# Altium PCB Rat.PcbDoc
Units mil, origin at the board's own origin, x right, y up, seen from the top; angles counter-clockwise.
Board outline 2325 x 3375 mil, 2 copper layers (Top Layer, Bottom Layer); 58 components, 36 nets, 153 pads, 155 vias.
Unrouted connection lines stored in the file: 2.
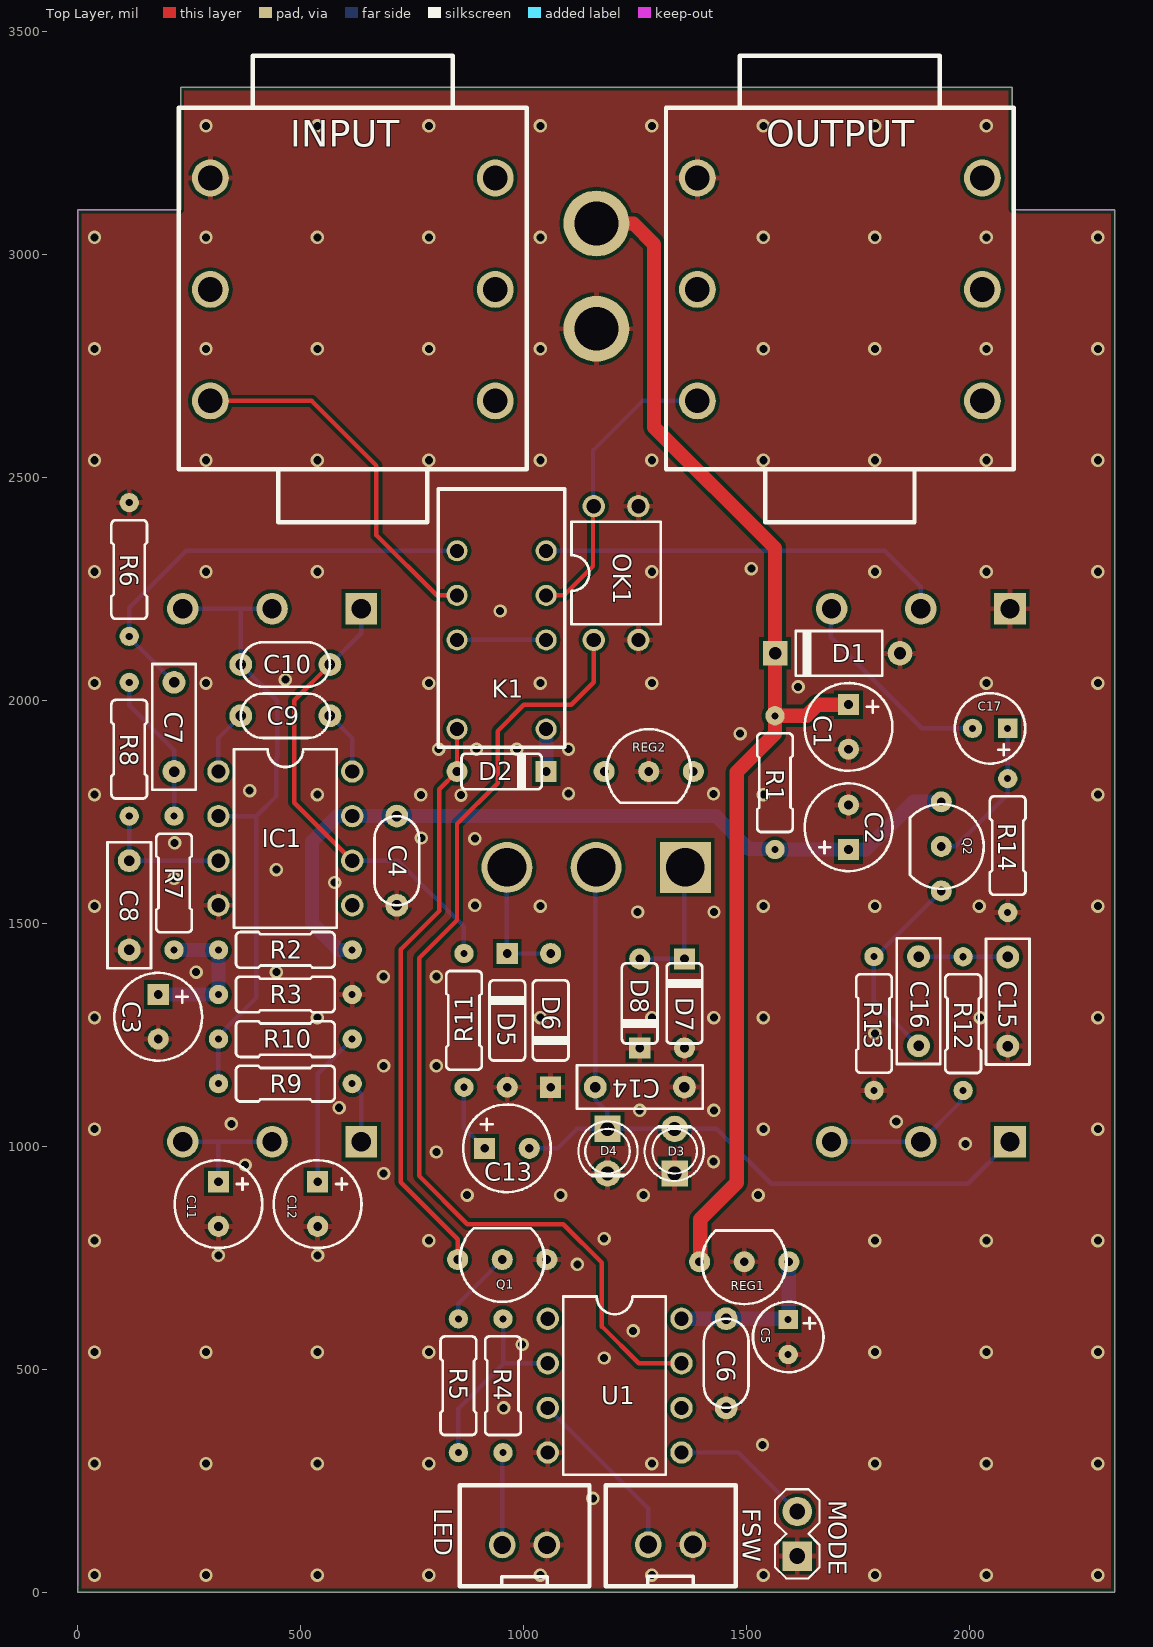
[diagram p0: Top Layer view]
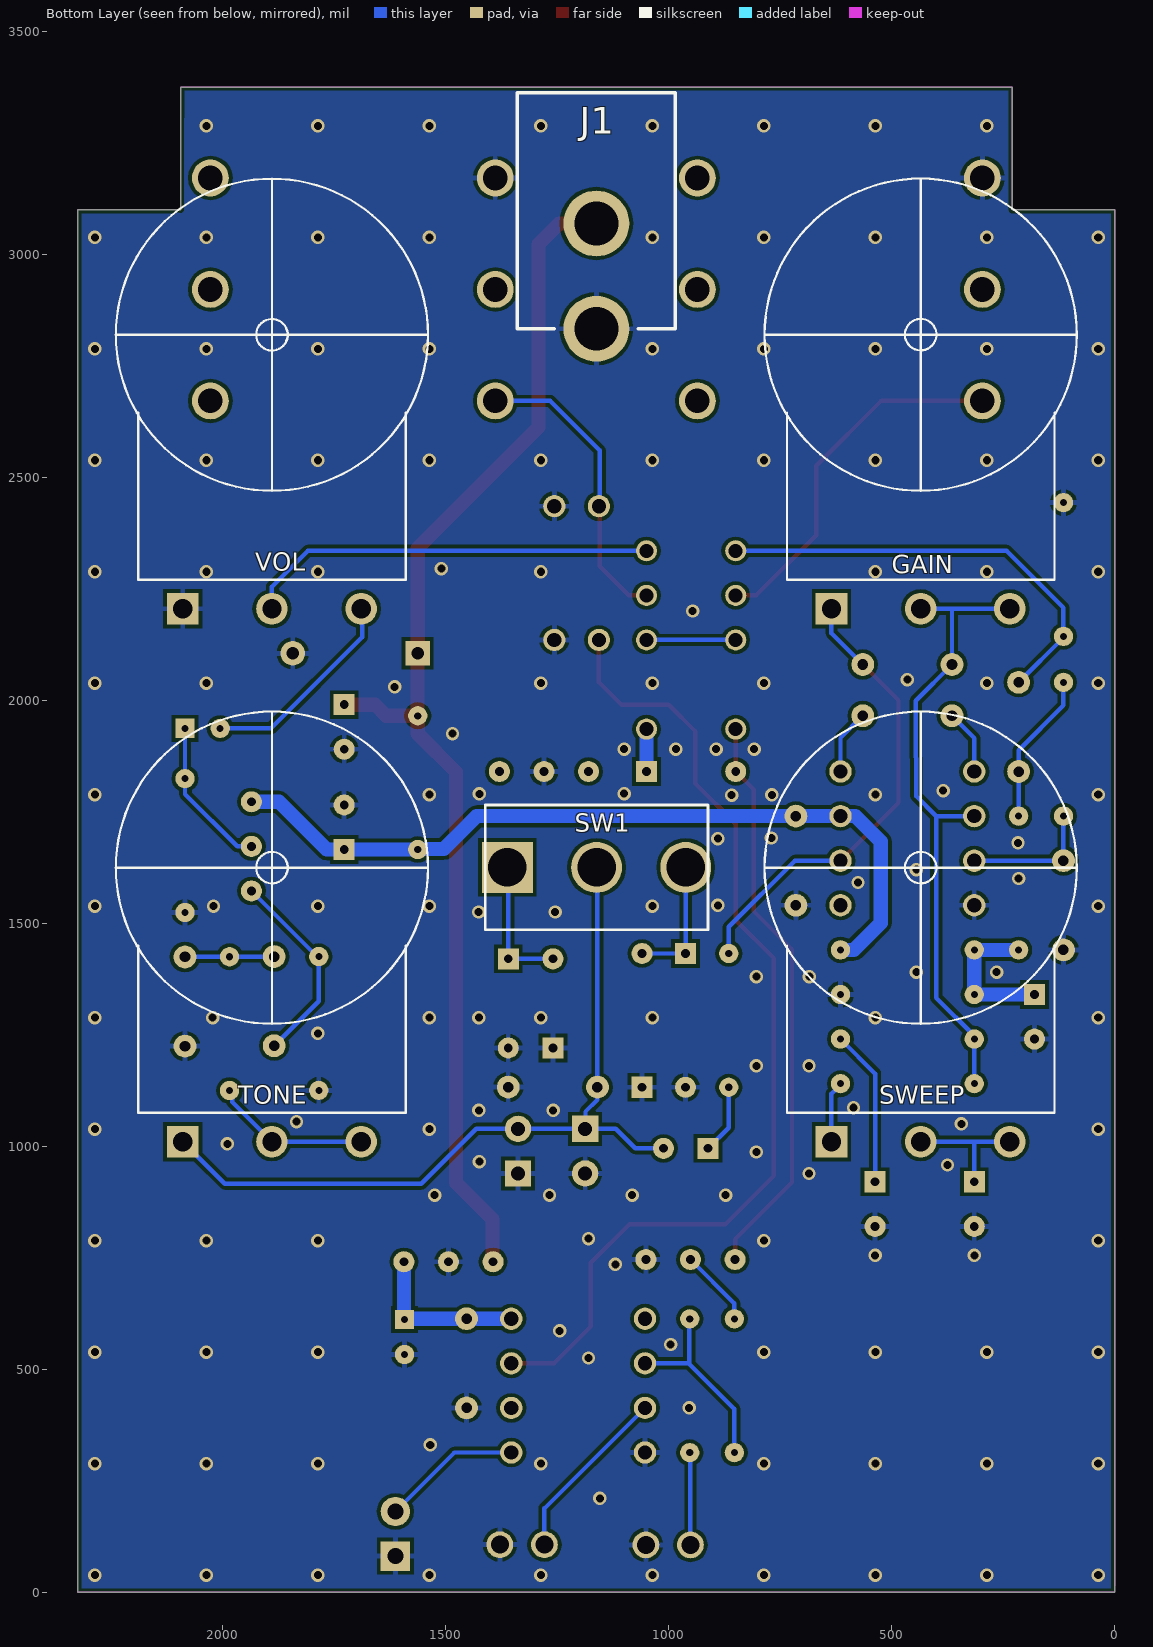
[diagram p1: Bottom Layer view, seen from below]
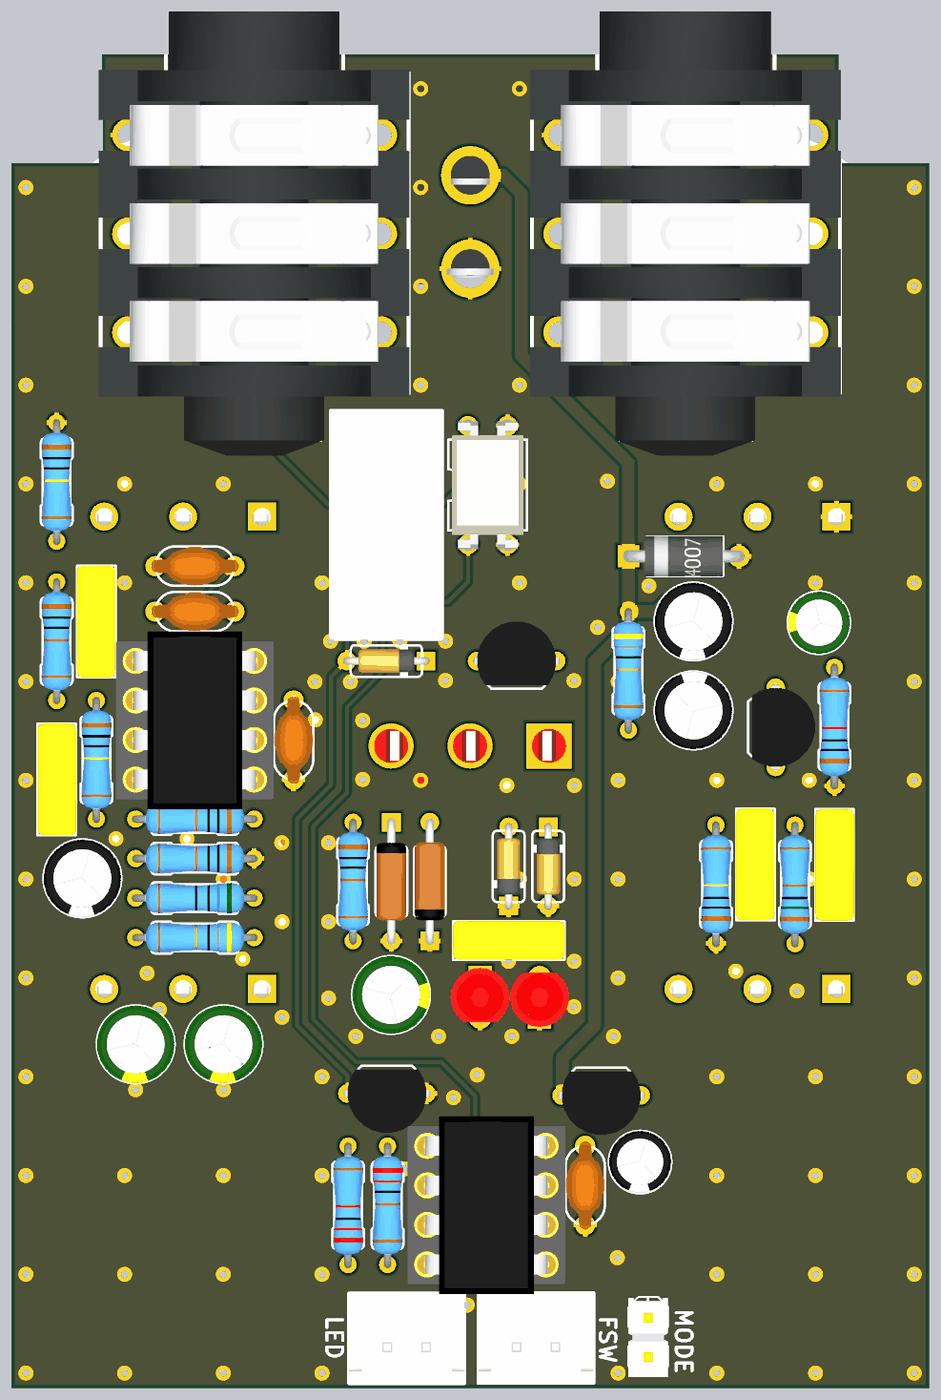
[diagram p2: 3D render of the assembled board from above, using the file's embedded part models]
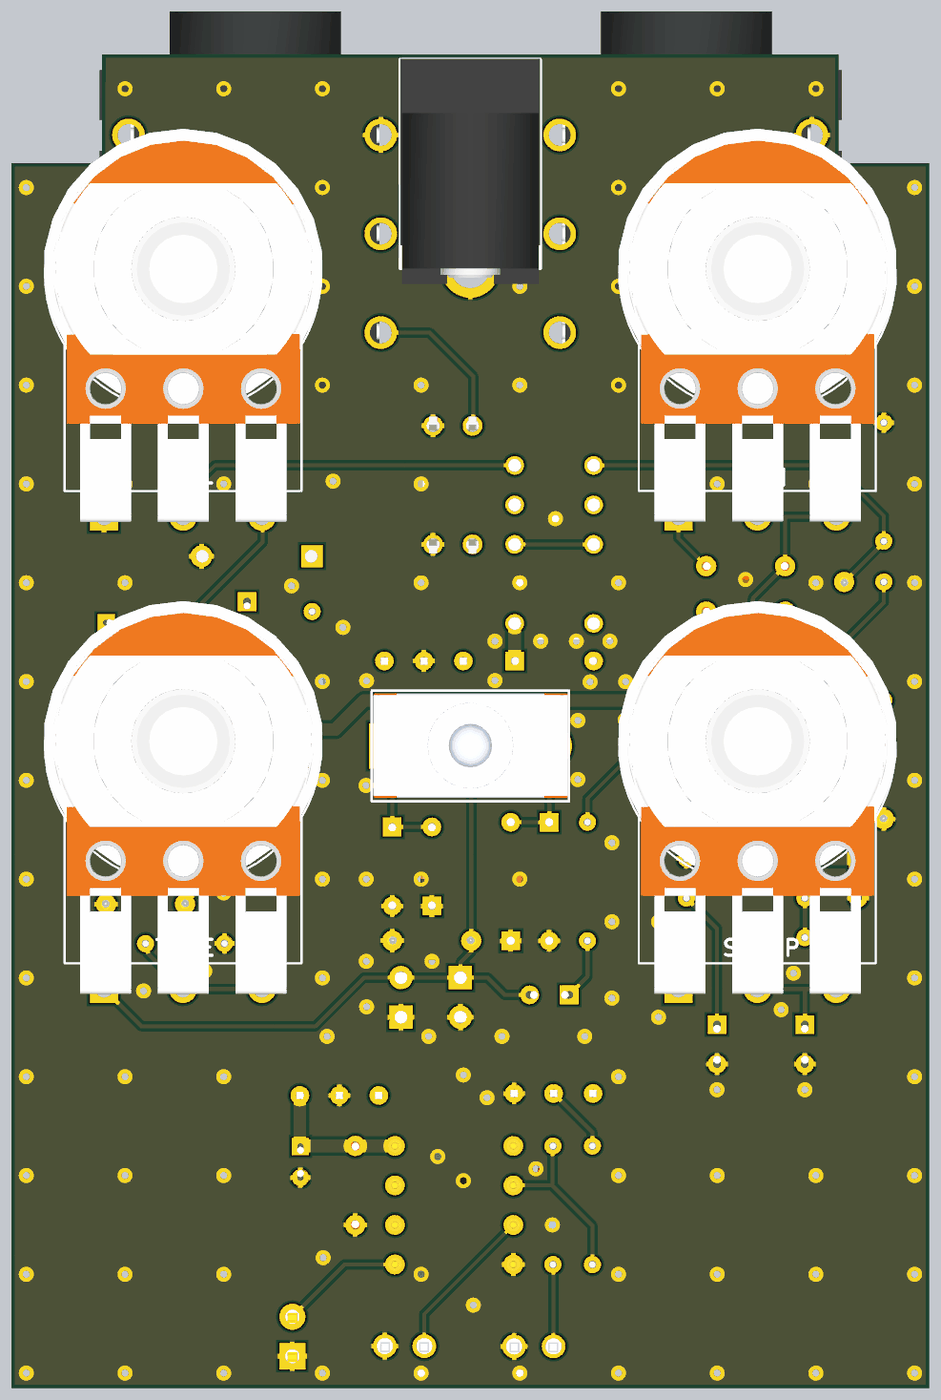
[diagram p3: 3D render of the assembled board from below, using the file's embedded part models]

## Layer stack, top to bottom
Top Solder: solder mask 0.4, Solder Resist, Dk 3.5
Top Layer: signal copper 1.4
Dielectric 1: dielectric 12.6, FR-4, Dk 4.8
Bottom Layer: signal copper 1.4
Bottom Solder: solder mask 0.4, Solder Resist, Dk 3.5

## Board outline
2094.65,3375 2094.65,3100 2325,3100 2325,0 0,0 0,3100 230,3100 230,3375

## Design rules (kind name [scope] priority, off if disabled: settings)
Clearance [All] p1: gap=8 ignorepadtopadclearanceinfootprint=FALSE except(0: Arc-Text Arc-Hole Track-Text Track-Hole SMDPad-Text SMDPad-Hole THPad-Text THPad-Hole Via-Text Via-Hole Fill-Text Fill-Hole Poly-Text Poly-Hole Region-Text Region-Hole Text-Text Text-Hole; 10: Arc-SMDPad Track-SMDPad SMDPad-SMDPad SMDPad-THPad SMDPad-Via THPad-THPad; 18: Arc-Arc Arc-Track Arc-THPad Track-Track Track-THPad)
ComponentClearance [All] p1 off: gap=10 collisioncheckmode=3 verticalgap=100000 showdistances=FALSE
Height [All] p1: minheight=0 maxheight=99999 prefheight=50000
PolygonConnect [All] p1: connectstyle=Relief reliefconductorwidth=12 reliefentries=4 polygonreliefangle="90 Angle" airgapwidth=8
RoutingVias [All] p1: holewidth=30 width=30 viastyle="Through Hole" minholewidth=10 minwidth=15 maxholewidth=20 maxwidth=40
SilkToSilkClearance [All] p1: silktosilkclearance=6
SolderMaskExpansion [All] p1: expansion=4
UnRoutedNet [All] p1: checkbadconnections=TRUE
Width [All] p1: maxlimit=32 minlimit=10 preferedwidth=10 minimp=50.000000 maximp=50.000000 favimp=50.000000
26 further rules are at their usual default settings.

## Components (designator, comment, footprint, x,y, rotation, side; value= is the part's Value field where it differs from the comment)
C1 "100u" ELEC_050_020 1727.94,1940 r270 top
C2 "100u" ELEC_050_020 1728.02,1715 r90 top
C3 "47u" ELEC_050_020 180,1290 r270 top
C4 "100n" CER_050 715,1640 r270 top
C5 "10u" ELEC_040_020 1592.66,572.53 r270 top
C6 "100n" CER_050 1453.59,512.95 r90 top
C7 "22n" FILMBOX_SMALL 215.51,1940 r90 top
C8 "1n" FILMBOX_SMALL 115,1540 r270 top
C9 "30p" CER_050 465,1965 r180 top
C10 "100p" CER_050 465,2080 r180 top
C11 "2.2u" ELEC_LESR_050_020 315,870 r270 top
C12 "4.7u" ELEC_LESR_050_020 537.5,870 r270 top
C13 "4.7u" ELEC_LESR_050_020 962,995 r0 top
C14 "10n" FILMBOX_SMALL 1260,1132.26 r0 top
C15 "3.3n" FILMBOX_SMALL 2085,1324.15 r270 top
C16 "22n" FILMBOX_SMALL 1885,1325 r90 top
C17 "1u" ELEC_LESR_040_020 2046,1936.7 r180 top
D1 "1N4002" DO41_2 1703.34,2105 r0 top
D2 "1N4148" DO35_2 950,1840 r180 top
D3 "LED" LED_3MM 1338.08,988.71 r90 top
D4 "LED" LED_3MM 1187.58,988.71 r270 top
D5 "1N914" DO35_3 962.73,1281.89 r270 top
D6 "1N914" DO35_3 1060,1282 r90 top
D7 "1N4148" DO35_2 1360,1320 r270 top
D8 "1N4148" DO35_2 1259.75,1320 r90 top
FSW "JST-XH-02" JST-XH-02 1328.9,106.29 r0 top
GAIN "100kA" ALPHA_16mm_BOTTOM 435.26,2204.62 r180 bottom locked
IC1 "LM308N" DIL8 465,1690 r270 top
INPUT "STEREO" STEREO 616.36,2921 r90 top
J1 "DC_JACK" DC_JACK 1162.5,3252.15 r0 bottom
K1 "NA5W-K" NA5 950,2185 r90 top
LED "JST-XH-02" JST-XH-02 1001.45,105.63 r0 top
MODE "HEADER_2PINS" HEADER_2PINS 1613.09,130.63 r270 top
OK1 "TLP222G" DIL4 1206.75,2285 r0 top
OUTPUT "STEREO" STEREO 1708.62,2921 r90 top
Q1 "2N3904" TO92 951.45,745.63 r180 top
Q2 "2N5457" TO92 1936,1672.11 r270 top
R1 "47R" R_3_47R_025W 1563.02,1815 r270 top
R2 "100k" R_3_100k_025W 465,1440 r180 top
R3 "100k" R_3_100k_025W 465,1340 r180 top
R4 "2.2k" R_3_2,2k_025W 953.09,462.63 r270 top
R5 "22k" R_3_22k_025W 853.06,462.63 r90 top
R6 "1M" R_3_1M_025W 115,2293 r270 top
R7 "1M" R_3_1M_025W 215.51,1590 r270 top
R8 "1k" R_3_1k_025W 115,1890 r270 top
R9 "47R" R_3_47R_025W 465,1140 r180 top
R10 "560R" R_3_560R_025W 465,1240 r180 top
R11 "1k" R_3_1k_025W 865.62,1282 r270 top
R12 "1.5k" R_3_1.5k_025W 1985,1274.62 r90 top
R13 "1M" R_3_1M_025W 1785,1275 r90 top
R14 "10k" R_3_10k_025W 2085,1674 r90 top
REG1 "LM78L05" TO92 1494.09,740.63 r180 top
REG2 "LM78L05" TO92 1280,1840 r0 top
SW1 "SPDT" SPDT 1162,1625 r0 bottom
SWEEP "1kB" ALPHA_16mm_BOTTOM 435.26,1009.37 r180 bottom locked
TONE "100kA" ALPHA_16mm_BOTTOM 1890,1009.37 r180 bottom locked
U1 "ATTINY85" DIP8 1203.39,462.91 r270 top
VOL "100kA" ALPHA_16mm_BOTTOM 1890,2204.37 r180 bottom locked

## Footprints (in the part's own frame and the unit in brackets; to place one, negate y for a bottom-side part, rotate by r counter-clockwise, add the part's x,y. Pads: shape width x height; smd on the part's side, far side on the other; paste and mask are expansions set on the pad)
ALPHA_16mm_BOTTOM [mil]
  rect 70.87x70.87 hole 43.31: 1(-200,0.63)
  round 70.87 hole 43.31: 2(0,0.63) 3(200,0.63)
  silkscreen extent -350,66 350,965, body extent -354,-12 445,982, height 1067
CER_050 [mil]
  round 51.18 hole 23.62: 1(-100,0) 2(100,0)
  silkscreen extent -100,-50 100,50, body extent -117,-49 110,66, height 196
DC_JACK [mil]
  round 147.65 hole 98.43: GND(0,183.15) PWR(0,419.37)
  silkscreen extent -177,-110 177,419, body extent -350,-112 177,458, height 433
DIL4 [mil]
  round 50 hole 32: 1(-50,-150) 2(50,-150) 3(50,150) 4(-50,150)
  silkscreen extent -100,-115 100,115, body extent -90,-173 90,173, height 174
DIL8 [mil]
  round 50 hole 32: 1(-150,-150) 2(-50,-150) 3(50,-150) 4(150,-150) 5(150,150) 6(50,150) 7(-50,150) 8(-150,150)
  silkscreen extent -200,-115 200,115, body extent -225,-200 225,200, height 335
DIP8 [mil]
  round 50 hole 32: 1(-150,-150) 2(-50,-150) 3(50,-150) 4(150,-150) 5(150,150) 6(50,150) 7(-50,150) 8(-150,150)
  silkscreen extent -200,-115 200,115, body extent -225,-200 225,200, height 335
DO35_2 [mil]
  round 47.24 hole 19.69: A(100,0)
  rect 47.24x47.24 hole 19.69: C(-100,0)
  silkscreen extent -90,-40 90,40, body extent -108,-30 108,30, height 60
DO35_3 [mil]
  round 47.24 hole 19.69: A(150,0)
  rect 47.24x47.24 hole 19.69: C(-150,0)
  silkscreen extent -90,-40 90,40, body extent -160,-38 160,38, height 77
DO41_2 [mil]
  round 55.12 hole 27.56: A(140,0)
  rect 55.12x55.12 hole 27.56: C(-140,0)
  silkscreen extent -94,-50 100,50, body extent -154,-52 154,52, height 112
ELEC_040_020 [mil]
  rect 43.31x43.31 hole 15.75: +(-38.8,0)
  round 43.31 hole 15.75: -(40,0)
  silkscreen extent -78,-79 80,79, body extent -79,-79 79,79, height 277
ELEC_050_020 [mil]
  rect 47.24x47.24 hole 19.69: +(-50,0)
  round 47.24 hole 19.69: -(50,0)
  silkscreen extent -98,-98 98,98, body extent -98,-98 98,98, height 277
ELEC_LESR_040_020 [mil]
  rect 43.31x43.31 hole 15.75: +(-38.8,0)
  round 43.31 hole 15.75: -(40,0)
  silkscreen extent -78,-79 80,79, body extent -79,-79 79,79, height 277
ELEC_LESR_050_020 [mil]
  rect 47.24x47.24 hole 19.69: +(-50,0)
  round 47.24 hole 19.69: -(50,0)
  silkscreen extent -98,-98 98,98, body extent -98,-98 98,100, height 434
FILMBOX_SMALL [mil]
  round 51.18 hole 23.62: 1(-100,0) 2(100,0)
  silkscreen extent -141,-49 141,49, body extent -142,-48 142,50, height 256
HEADER_2PINS [mil]
  rect 66x66 hole 35.43: 1(50,0)
  round 66 hole 35.43: 2(-50,0)
  silkscreen extent -100,-50 100,50, body extent -102,-50 102,50, height 330
JST-XH-02 [mil]
  round 60 hole 40: 1(-50,0) 2(50,0)
  silkscreen extent -146,-93 146,134, body extent -146,-95 146,131, height 276
LED_3MM [mil]
  rect 59.06x59.06 hole 31.5: ANODE(-50,0)
  round 59.06 hole 31.5: P$1(50,0)
  silkscreen extent -67,-65 56,67, body extent -75,-75 160,75, height 221
NA5 [mil]
  round 47.25 hole 31.5: 1(-250,-100) 3(-50,-100) 4(50,-100) 5(150,-100) 8(150,100) 9(50,100) 10(-50,100) 12(-250,100)
  silkscreen extent -290,-142 289,142, body extent -291,-144 291,144, height 362
R_3_1.5k_025W [mil]
  round 43.31 hole 15.75: 1(-150,0) 2(150,0)
  silkscreen extent -111,-40 111,40, body extent -160,-38 160,38, height 83
R_3_1k_025W [mil]
  round 43.31 hole 15.75: 1(-150,0) 2(150,0)
  silkscreen extent -111,-40 111,40, body extent -160,-38 160,38, height 83
R_3_1M_025W [mil]
  round 43.31 hole 15.75: 1(-150,0) 2(150,0)
  silkscreen extent -111,-40 111,40, body extent -160,-38 160,38, height 83
R_3_2,2k_025W [mil]
  round 43.31 hole 15.75: 1(-150,0) 2(150,0)
  silkscreen extent -111,-40 111,40, body extent -160,-38 160,38, height 83
R_3_10k_025W [mil]
  round 43.31 hole 15.75: 1(-150,0) 2(150,0)
  silkscreen extent -111,-40 111,40, body extent -160,-38 160,38, height 83
R_3_22k_025W [mil]
  round 43.31 hole 15.75: 1(-150,0) 2(150,0)
  silkscreen extent -111,-40 111,40, body extent -160,-38 160,38, height 83
R_3_47R_025W [mil]
  round 43.31 hole 15.75: 1(-150,0) 2(150,0)
  silkscreen extent -111,-40 111,40, body extent -160,-38 160,38, height 83
R_3_100k_025W [mil]
  round 43.31 hole 15.75: 1(-150,0) 2(150,0)
  silkscreen extent -111,-40 111,40, body extent -160,-38 160,38, height 83
R_3_560R_025W [mil]
  round 43.31 hole 15.75: 1(-150,0) 2(150,0)
  silkscreen extent -111,-40 111,40, body extent -160,-38 160,38, height 83
SPDT [mil]
  rect 114.17x114.17 hole 86.61: 1(200,0)
  round 114.17 hole 86.61: 2(0,0) 3(-200,0)
  silkscreen extent -250,-140 250,140, body extent -246,-145 246,131, height 1113
STEREO [mil]
  round 82.68 hole 55.12: R(0,319.49) RN(0,-319.49) S(250,319.49) SN(250,-319.49) T(-250,319.49) TN(-250,-319.49)
  silkscreen extent -522,-390 524,390, body extent -562,-392 562,395, height 610
TO92 [mil]
  round 47.24 hole 19.69: 1(100,0) 2(0,0) 3(-100,0)
  silkscreen extent -95,-70 95,95, body extent -109,-61 109,100, height 255

## Part data
C1 C2: library part ELEC_100u_16V, "100u 16V electrolytic capacitor", Package=Radial, Dimensions=5x8mm, PinSpacing=2mm, Price=0.02
C3: library part ELEC_47u_25V, "47u 25V electrolytic capacitor", Package=Radial, Dimensions=5x8mm, PinSpacing=2mm, Price=0.02
C4 C6: library part CER_100n, "100n MLCC X7R radial capacitor", Package=Radial, PinSpacing=5.08mm, Price=0.02
C5: library part ELEC_10u_50V, "10u 50V electrolytic capacitor", Package=Radial, Dimensions=4x8mm, PinSpacing=2mm, Price=0.02
C7 C16: library part FILMBOX_22n, "22n 100V polyester film box capacitor", Package=Radial, Dimensions=7.2x2.5x6.5mm, PinSpacing=5.08mm, Price=0.05
C8: library part FILMBOX_1n, "1n 100V polyester film box capacitor", Package=Radial, Dimensions=7.2x2.5x6.5mm, PinSpacing=5.08mm, Price=0.05
C9: library part CER_30p, "30p MLCC X7R radial capacitor", Package=Radial, PinSpacing=5.08mm, Price=0.01
C10: library part CER_100p, "100p MLCC X7R radial capacitor", Package=Radial, PinSpacing=5.08mm, Price=0.01
C11: library part ELEC_LESR_2.2u_50V, "2.2u 50V Low ESR ectrolytic capacitor", Package=Radial, Dimensions=5x11mm, PinSpacing=2mm, Price=0.05
C12 C13: library part ELEC_LESR_4.7u_50V, "4.7u 50V Low ESR ectrolytic capacitor", Package=Radial, Dimensions=5x11mm, PinSpacing=2mm, Price=0.05
C14: library part FILMBOX_10n, "10n 100V polyester film box capacitor", Package=Radial, Dimensions=7.2x2.5x6.5mm, PinSpacing=5.08mm, Price=0.05
C15: library part FILMBOX_3.3n, "3.3n 100V polyester film box capacitor", Package=Radial, Dimensions=7.2x2.5x6.5mm, PinSpacing=5.08mm, Price=0.05
C17: library part ELEC_LESR_1u_50V, "1u 50V Low ESR electrolytic capacitor", Package=Radial, Dimensions=4x8mm, PinSpacing=2mm, Price=0.05
D1: Package=DO-41, PinSpacing=7.62mm, Price=0.01
D2 D5 D6 D7 D8: Package=DO-35
  D2 D7 D8: PinSpacing=5.08mm, Price=0.01
  D5 D6: PinSpacing=7.62mm, Price=0.03
D3 D4: "3mm LED", Package=T1, Dimensions=3mm, Price=0.01
FSW LED: "2 Pins male XH header", Price=0.1
GAIN TONE VOL: library part 100kA_ALPHA_16mm, "100k Log potentiometer round shaft", Package="PCB Mounted", Dimensions=16mm, Price=0.5
IC1: Package=DIP-8, Price=0.3
INPUT OUTPUT: "6.35mm stereo insulated socket jack PCB mounted", Price=0.5
J1: "DC Power jack 2.1mm barrel", Price=0.05
MODE: "2 Pins male header", Pin spacing=2.54mm, Price=0.01
Q1 Q2: Package=TO-92
  Q1: Price=0.01
  Q2: Price=0.2
R1 R9: library part R_3_47R_025W, "47R metal film 1/4W Resistor", PinSpacing=7.62mm, Price=0.01
R2 R3: library part R_3_100k_025W, "100k metal film 1/4W Resistor", PinSpacing=7.62mm, Price=0.01
R4: library part R_3_2.2k_025W, "2.2k metal film 1/4W Resistor", PinSpacing=7.62mm, Price=0.01
R5: library part R_3_22k_025W, "22k metal film 1/4W Resistor", PinSpacing=7.62mm, Price=0.01
R6 R7 R13: library part R_3_1M_025W, "1M metal film 1/4W Resistor", PinSpacing=7.62mm, Price=0.01
R8 R11: library part R_3_1k_025W, "1k metal film 1/4W Resistor", PinSpacing=7.62mm, Price=0.01
R10: library part R_3_560R_025W, "560R metal film 1/4W Resistor", PinSpacing=7.62mm, Price=0.01
R12: library part R_3_1.5k_025W, "1.5k metal film 1/4W Resistor", PinSpacing=7.62mm, Price=0.01
R14: library part R_3_10k_025W, "10k metal film 1/4W Resistor", PinSpacing=7.62mm, Price=0.01
REG1 REG2: "78L05", Package=TO-92, Price=0.01
SW1: library part SPDT_ON-OFF-ON, "SPDT toggle switch ON/OFF/ON", Price=0.5
SWEEP: library part 1kB_ALPHA_16mm, "1k Lin potentiometer round shaft", Package="PCB Mounted", Dimensions=16mm, Price=0.5
U1: "ATTINY85-20PU", Package=DIP-8, Price=1.2
K1: Price=1.1
OK1: Price=0.36

## Via types
v1: diameter 30, hole 18, Top Layer to Bottom Layer, 155 vias

## Nets (pads, with @x,y where several pads share a name; then routed paths per layer and width w, separated by ;. In a path a pad name is that pad's centre, name@x,y a point inside that pad or via, vN(x,y) a via of type N, cw(c..) or ccw(c..) an arc to the next point about the centre after c; other vN are vias at no path point)
+5V: C5.+ C6.2 REG1.3 U1.8 | length 369.9
  Bottom Layer w32: U1.8 C6.2 C6.2 1591.04,612.95 C5.+ 1594.09,612.76 REG1.3
+9V: C1.+ D1.C J1.GND R1.1 REG1.1 REG2.1 | length 2792.2
  Top Layer w32: J1.GND 1245.53,3069 1292,3022.53 1292,2611.98 1563.02,2340.96 1563.02,2095.32 1563.34,2095 R1.1@1563.34,1965.32 ; REG2.1 REG2.1@1382.21,1837.79 ; REG1.1 1395.51,742.06 1395.51,835.95 1477.45,917.88 1477.45,1838.96 1563.02,1924.53 R1.1 ; R1.1@1563.83,1965.81 R1.1@1563.34,1965.32 ; C1.+ 1659.02,1990 1634.02,1965 R1.1 ; R1.1 R1.1@1563.34,1965.32
GND: C1.- C2.- C3.- C4.2 C5.- C6.1 C8.2 C11.- C12.- C14.2 C15.2 D1.A D3.ANODE D4.P$1 D5.A D6.C D7.A D8.C FSW.2 IC1.4 INPUT.S J1.PWR LED.2 MODE.1 OK1.2 OK1.3 OUTPUT.S Q1.3 R3.1 R6.1 R13.1 R14.1 REG1.2 REG2.2 U1.4 VOL.1
  other v1: 37,38 287,38 537,38 787,38 1037,38 1287,38 1537,38 1787,38 2037,38 2287,38 1154.8,210 37,288 287,288 537,288 787,288 1287,288 1787,288 2037,288 2287,288 1535,330 954.47,412.95 1180,524.78 37,538 287,538 537,538 787,538 1787,538 2037,538 2287,538 996.05,555 1245,585.88 1120,735 315,755 537.5,755 37,788 787,788 1787,788 2037,788 2287,788 1180,792.38 872.55,890 1082.25,890 1267.7,890 1525.19,890 685.66,938.55 375,957.64 1425.09,965 803.58,986.75 1990,1005 37,1038 1537,1038 2287,1038 343.89,1050 1835,1055 1259.44,1080 1425.98,1080 585.88,1086 685.66,1180 803.58,1180 1787,1253 37,1288 537,1288 1037,1288 1287,1288 1425.98,1288 1537,1288 2023,1288 2287,1288 685,1380 803.58,1380 265,1390.09 445,1390.09 1255,1525 1426.43,1525 37,1538 1037,1538 1537,1538 1787,1538 2020.96,1538 2287,1538 890,1540 575.72,1591 215.51,1600 445,1620 217,1680 890,1689.47 770,1690.9 859,1787 37,1788 537,1788 769,1787.55 1537,1788 2287,1788 1100,1790.49 1425.09,1790 385,1796.97 808.67,1890 893.81,1890 984.28,1890 1100,1890 1485,1925 1615,2030 37,2038 287,2038 787,2038 1037,2038 1287,2038 2037,2038 2287,2038 465,2046.12 946.75,2200 37,2288 287,2288 537,2288 1287,2288 1787,2288 2037,2288 2287,2288 1510,2295 37,2538 287,2538 537,2538 787,2538 1037,2538 1287,2538 1537,2538 1787,2538 2037,2538 2287,2538 37,2788 287,2788 537,2788 787,2788 1037,2788 1537,2788 1787,2788 2037,2788 2287,2788 37,3038 287,3038 537,3038 787,3038 1037,3038 1537,3038 1787,3038 2037,3038 2287,3038 287,3288 537,3288 787,3288 1037,3288 1287,3288 1537,3288 1787,3288 2037,3288
INPUT: INPUT.T K1.9 | length 832
  Top Layer w10: INPUT.T@291.02,2660 INPUT.T@296.02,2655 ; INPUT.T 524,2671 669.34,2525.66 669.34,2370 804.34,2235 K1.9
NetC7_1: C7.1 R7.1 R8.1 | length 341.6
  Bottom Layer w10: R8.1 115,1988.35 215.51,1887.84 C7.1 R7.1
NetC8_1: C8.1 IC1.3 R8.2 | length 300
  Bottom Layer w10: R8.2 C8.1 IC1.3
NetC9_1: C9.1 IC1.8 | length 145.7
  Bottom Layer w10: C9.1 615,1915 IC1.8
NetC9_2: C9.2 IC1.1 | length 145.7
  Bottom Layer w10: IC1.1 315,1915 C9.2
NetC10_1: C10.1 GAIN.1 IC1.6 R11.1 | length 1053.1
  Top Layer w10: C10.1 485,2000 485,1770 IC1.6
  Bottom Layer w10: C10.1 635.26,2150.26 GAIN.1 ; IC1.6 717.27,1640 865.62,1491.65 R11.1
NetC10_2: C10.2 GAIN.2 GAIN.3 IC1.2 R9.2 R10.2 | length 1459.8
  Bottom Layer w10: GAIN.3@235,2205 GAIN.3@235,2225.91 ; GAIN.3 365,2205.26 ; R9.2 R10.2 315,1247.26 400,1332.26 400,1740 ; IC1.2 400,1740 ; GAIN.2 365,2205.26 ; 365,2205.26 C10.2 446.59,1998.41 446.59,1871.59 445,1870 445,1785 400,1740
  Bottom Layer w15: GAIN.2@435,2205 GAIN.2
NetC11_+: C11.+ SWEEP.2 SWEEP.3 | length 290
  Bottom Layer w10: SWEEP.3 315,1010 ; C11.+ 315,1010 ; SWEEP.2 315,1010
NetC12_+: C12.+ R10.1 | length 352.1
  Bottom Layer w10: C12.+ 537.5,1162.5 R10.1
NetC13_+: C13.+ R11.2 | length 156.2
  Bottom Layer w10: R11.2 865.62,1041.38 C13.+
NetC13_-: C13.- C14.1 D3.P$1 D4.ANODE SW1.2 TONE.1 | length 1786.6
  Bottom Layer w10: C13.- 1075.2,995 1118.91,1038.71 D4.ANODE ; SW1.2 1160,1623 C14.1 1160,1104.24 1186.85,1077.38 D4.ANODE@1186.85,1039.44 ; D4.ANODE@1186.29,1040 D4.ANODE@1186.85,1039.44 ; TONE.1@2090.75,1009.25 TONE.1 1995.63,915.63 1555,915.63 1431.92,1038.71 D3.P$1 D4.ANODE ; D4.ANODE@1186.85,1039.44 D4.ANODE
NetC15_1: C15.1 C16.2 R12.2 | length 200.4
  Bottom Layer w10: C16.2 1984.62,1425 R12.2 2084.53,1424.62 C15.1
NetC16_1: C16.1 Q2.1 R13.2 | length 453.4
  Bottom Layer w10: C16.1 1785,1325 R13.2 1788.89,1425 Q2.1
NetC17_+: C17.+ Q2.2 R14.2 | length 345.1
  Bottom Layer w10: Q2.2 1967.89,1672.11 2085,1789.21 R14.2 2085,1936.5 C17.+
NetC17_-: C17.- VOL.3 | length 467.5
  Bottom Layer w10: VOL.3 1688,2203 1688,2141 1892.3,1936.7 C17.-
NetD2_A: D2.A K1.12 Q1.1 | length 1294.5
  Top Layer w10: K1.12 D2.A 810,1800 810,1527.22 723.77,1440.99 723.77,918.61 851.45,790.93 Q1.1
NetD2_C: D2.C K1.1 REG2.3 | length 102.1
  Bottom Layer w32: D2.C K1.1 ; REG2.3 REG2.3@1184.99,1835.01
NetD5_C: D5.C D6.A SW1.3 | length 291.1
  Bottom Layer w10: SW1.3@961.73,1624.73 SW1.3 962,1432.62 D5.C 1059.89,1431.89 D6.A
NetD7_C: D7.C D8.A SW1.1 | length 306.1
  Bottom Layer w10: D8.A D7.C 1360,1623 SW1.1
NetK1_3: K1.3 K1.10 | length 200
  Bottom Layer w10: K1.10 K1.3
NetLED_1: LED.1 R4.2 | length 207.7
  Bottom Layer w10: LED.1 951.45,310.99 R4.2
NetQ1_2: Q1.2 R5.2 | length 173.8
  Bottom Layer w10: R5.2 853.06,647.25 Q1.2
NetR9_1: R9.1 SWEEP.1 | length 138.4
  Bottom Layer w10: R9.1 615,1137.74 635.26,1117.49 SWEEP.1
NetR12_1: R12.1 TONE.2 TONE.3 | length 354
  Bottom Layer w10: TONE.3 TONE.2 1978.89,1098.89 1978.89,1118.51 R12.1
OUTPUT: K1.4 OK1.4 OUTPUT.T | length 673.5
  Top Layer w10: K1.4 1090,2235 1155,2300 1155,2433.25 OK1.4
  Bottom Layer w10: OK1.4 1155,2436.75 1155,2560 1266,2671 OUTPUT.T
PB0: MODE.2 U1.5 | length 314.5
  Bottom Layer w10: U1.5 1480.82,312.91 MODE.2
PB2: OK1.1 U1.7 | length 2272.7
  Top Layer w10: OK1.1 1156.75,2040 1106.22,1989.47 1000,1989.47 941.2,1930.67 941.2,1813.96 850,1722.76 850,1506.68 765,1421.68 765,933.06 873.06,825 1088.33,825 1175,738.33 1175,595.26 1257.35,512.91 U1.7
PB3: R4.1 R5.1 U1.2 | length 442.2
  Bottom Layer w10: R5.1 853.06,410.51 953.93,511.38 ; R4.1 953.93,611.79 953.93,511.38 ; U1.2 955.46,512.91 953.93,511.38
PB4: FSW.1 U1.3 | length 400
  Bottom Layer w10: U1.3 1278.9,187.4 FSW.1
RETURN: K1.5 VOL.2 | length 922.7
  Bottom Layer w10: K1.5 1809.26,2335 1890,2254.26 VOL.2
SEND: C7.2 K1.8 R6.2 | length 996.9
  Bottom Layer w10: C7.2 115,2140.51 R6.2 115,2207.38 242.62,2335 K1.8
Vb: C3.+ R2.2 R3.2 R7.2 | length 334.5
  Bottom Layer w32: C3.+ R3.2 R2.2 R7.2
Vr: C2.+ C4.1 IC1.7 Q2.3 R1.2 R2.1 | length 1808
  Bottom Layer w32: R2.1 585.09,1440 525,1500.09 525,1683.28 581.72,1740 IC1.7 C4.1 1430.71,1740 1504.47,1666.24 1561.78,1666.24 R1.2 C2.+ 1767,1665 1874.11,1772.11 Q2.3
pads on no net: IC1.5 INPUT.R INPUT.RN INPUT.SN INPUT.TN OUTPUT.R OUTPUT.RN OUTPUT.SN OUTPUT.TN U1.1 U1.6

## Polygon pours and split planes (outlines as drawn)
GND on Top Layer "GND_L01_P010" (solid, pour order 10): 0,0 2325,0 2325,3100 2094.65,3100 2094.65,3375 230,3375 230,3100 0,3100
GND on Bottom Layer "GND_L02_P008" (solid, pour order 8): 0,0 2325,0 2325,3095 2330,3100 2094.65,3100 2094.65,3375 230,3375 230,3100 0,3100

## Keep-outs
Keep-Out Layer:
  lines w1: 2094.65,3306.25 2094.65,3375 230,3375 230,3100 0,3100 0,14.16 0,0 340.62,0 1503.12,0 1708.44,0 1811.09,0 2016.41,0 2119.06,0 2325,0 2325,3100 2271,3100 2163,3100 2109,3100 ; 2095,3101 2095,3169.75 2095,3307.25